# Altium PCB TimeDrive.PcbDoc (part 4 of 4)
Units mil, origin at the board's own origin, x right, y up, seen from the top; angles counter-clockwise.
Board outline 866.1 x 4330 mil, 8 copper layers (L01_SIG, L02_PWR, L03_GND, L04_SIG, L05_SIG, L06_GND, L07_PWR, L08_SIG), stack 31.68 mil thick; 313 components, 297 nets, 1051 pads, 637 vias.
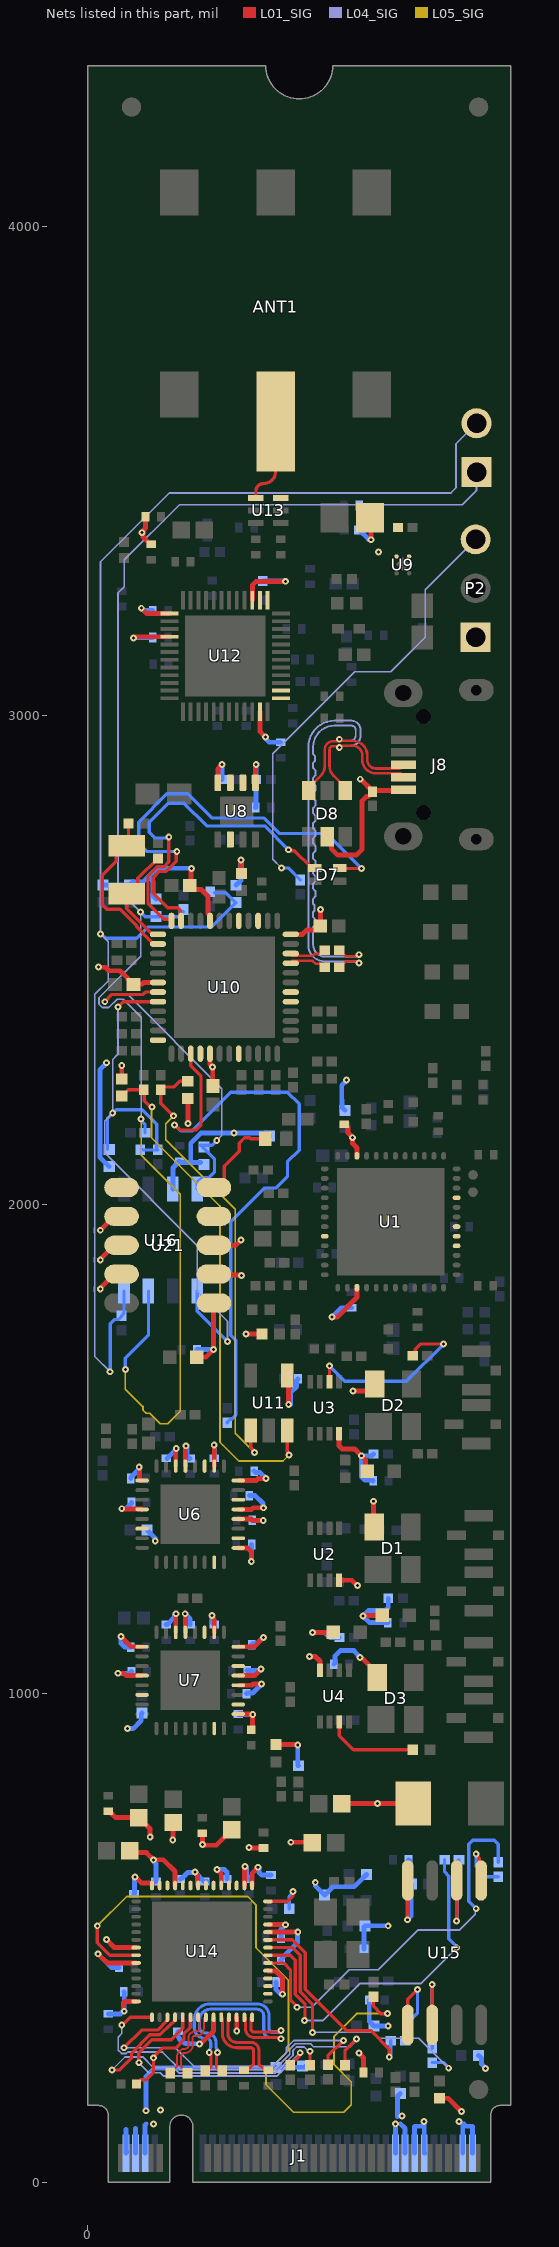
[diagram p10: the nets of this part, all layers, seen from the top]

## Via types
v1: diameter 14, hole 6, L01_SIG to L08_SIG, 509 vias
v2: diameter 19.68, hole 7.87, L01_SIG to L08_SIG, tented both sides, 103 vias
v3: diameter 23.62, hole 11.81, L01_SIG to L08_SIG, tented both sides, 25 vias

## Nets (pads, with @x,y where several pads share a name; then routed paths per layer and width w, separated by ;. In a path a pad name is that pad's centre, name@x,y a point inside that pad or via, vN(x,y) a via of type N, cw(c..) or ccw(c..) an arc to the next point about the centre after c; other vN are vias at no path point) (continued)
NetR108_2: R108.2 U14.15 | length 731.1
  L01_SIG w6.8: v1(70,322.12) 71.95,322.12 87.6,337.78 U14.15@131.8,337.78 ; R108.2@526.73,239.59 526.73,270.57 549.36,293.2 v1(550.49,293.2)
  L04_SIG w3.6: v1(70,322.12) 70,304.59 62.7,297.3 62.7,270.6 69.61,263.69 79.39,263.69 82.5,266.8 153.2,266.8 189.26,230.74 381.71,230.74 413.4,262.44 413.4,272.43 424.74,283.77 456.33,283.77 462.28,277.82 536.2,277.82 550.49,292.11 v1(550.49,293.2)
NetR109_1: R109.1 U14.8 | length 1437.8
  L01_SIG w6.8: v1(20,525) 20,490 45.25,464.75 U14.8@99.32,464.75 ; R109.1@585,380.24 585,360 599.61,345.39 v1(613.41,345.39)
  L05_SIG w3.6: v1(20,525) 80,585 327.49,585 344.43,568.06 344.43,480.57 411.16,413.84 411.16,269.86 365,223.7 365,200 421.28,143.72 524.21,143.72 539.47,158.98 539.47,205.53 504.25,240.75 504.25,299.25 550.39,345.39 v1(613.41,345.39)
NetR110_1: R110.1 U14.34 | length 832.1
  L01_SIG w6.8: U14.34@369,449 401,449 415,435 415,373.53 428.21,360.32 v1(428.21,358.38)
  L04_SIG w3.6: v1(428.21,358.38) 458.38,358.38 535,435 595,435 676.58,516.58 761.46,516.58 793.28,548.4 793.28,558.28 v1(795,560)
  L08_SIG w6.8: v1(795,560) 780,575 780,692.03 787.97,700 832.03,700 840,692.03 R110.1@840,654.76
NetR110_2: R110.2 U15.5 | length 137.6
  L01_SIG w6.8: v1(795,672) 795,669.36 801.29,663.07 801.29,621.34 U15.5@805,617.64
  L08_SIG w6.8: v1(795,672) 795,646.93 816.69,625.24 R110.2@840,625.24
NetR111_1: R111.1 U14.35 | length 755.2
  L01_SIG w6.8: U14.35@369,464.75 415,464.75 424.75,455 425,455 425,385 444.7,365.3 444.7,331.71 v1(444.09,331.1)
  L04_SIG w3.6: v1(444.09,331.1) 481.1,331.1 556.8,406.8 681.8,406.8 v1(755,480)
  L08_SIG w6.8: R111.1@730.24,660 730.24,635.4 738.94,626.7 738.94,498.21 755,482.15 v1(755,480)
NetR111_2: R111.2 U15.6 | length 209.6
  L01_SIG w6.8: v1(755,535) U15.6@755,617.64
  L08_SIG w6.8: v1(755,535) 755,655.24 R111.2@759.76,660
NetR112_1: R112.1 U14.36 | length 589.1
  L01_SIG w6.8: U14.36@369,480.5 419.5,480.5 435,465 435,390 460,365 v1(460,307.03)
  L04_SIG w3.6: v1(460,307.03) 582.97,307.03 595,295 677.47,295 v1(738.76,233.71)
  L08_SIG w6.8: R112.1@705,245.24 728.36,245.24 738.76,234.84 v1(738.76,233.71)
NetR112_2: R112.2 U15.2 | length 212.9
  L01_SIG w6.8: U15.2@705,322.36 v1(705,405)
  L08_SIG w6.8: R112.2@705,274.76 v1(705,405)
NetR113_1: R113.1 U14.37 | length 436
  L01_SIG w6.8: U14.37@369,496.24 418.76,496.24 445,470 445,395 530,310 580,310 617.16,272.84 v1(617.16,256.38)
  L08_SIG w6.8: v1(617.16,256.38) 617.16,259.02 620.24,262.1 R113.1@620.24,290
NetR113_2: R113.2 U15.1 | length 196.4
  L01_SIG w6.8: U15.1@655,322.36 655,375 v1(675,395)
  L08_SIG w6.8: R113.2@649.76,290 649.76,321.76 675,347 v1(675,395)
NetR115_2: R115.2 U14.17 | length 672.8
  L01_SIG w6.8: v1(74.5,275.49) 110.75,311.74 123.45,311.74 143.15,311.74 163.29,331.87 U14.17@163.29,337.78 ; R115.2@491.82,240.76 491.82,258.95 v1(523.24,290.37)
  L04_SIG w3.6: v1(74.5,275.49) 179.51,275.49 217.66,237.34 378.65,237.34 406.8,265.5 406.8,275.16 422.01,290.37 v1(523.24,290.37)
NetR116_2: R116.2 U14.18 | length 672.3
  L01_SIG w6.8: v1(50,230) 65,230 90,255 90,264.65 127.29,301.94 143.2,301.94 147.97,301.94 171.11,325.07 171.95,325.07 179.04,332.16 U14.18@179.04,337.78 ; R116.2@455,239.76 v1(455,268.41)
  L04_SIG w3.6: v1(50,230) 76.58,256.58 99.89,256.58 100.11,256.8 113.2,256.8 135,235 175.67,235 186.52,224.14 384.44,224.14 420,259.7 420,269.69 427.47,277.17 443.43,277.17 452.19,268.41 v1(455,268.41)
NetR117_2: R117.2 U14.19 | length 548.7
  L01_SIG w6.8: v1(105,245) 105,265.79 131.35,292.14 171.67,292.14 194.58,315.05 194.58,337.57 U14.19@194.79,337.78 ; R117.2@415,239.76 415,240.75 433.62,259.37 433.62,263.99 v1(435,265.37)
  L04_SIG w3.6: v1(105,245) 125.52,224.48 148.71,224.48 155.64,217.54 387.17,217.54 v1(435,265.37)
NetR120_2: R120.2 U14.42 | length 103.2
  L01_SIG w6.8: U14.42@369,574.98 409.99,574.98 420,584.99 v1(420,595)
  L08_SIG w6.8: R120.2@412.72,560 412.72,585.08 420,592.36 v1(420,595)
NetR121_2: R121.2 U14.20 | length 204.6
  L01_SIG w6.8: R121.2@100.19,201.2 100.19,201.28 107.28,208.38 107.37,208.38 108.99,210 120,210 135,225 135,256.95 153.05,275 180,275 197.23,292.23 197.23,303.84 210.33,316.94 210.33,337.57 U14.20@210.54,337.78
  other v1: 135,255
NetR129_2: R129.2 U10.15 | length 1256.6
  L01_SIG w6.8: v1(177.64,2162.81) 179.59,2162.81 189.61,2152.79 222.05,2152.79 232.02,2162.75 232.02,2263.67 211.1,2284.59 U10.15@211.1,2308.86
  L08_SIG w6.8: v1(177.64,2162.81) 179.59,2162.81 191.01,2151.38 214.12,2151.38 292.87,2230.14 408.88,2230.14 432.93,2206.09 432.93,2111.54 408.97,2087.57 408.97,2057.56 385.66,2034.25 362.35,2034.25 293.18,1965.08 293.18,1732.49 302.91,1722.76 302.91,1569.64 294.59,1561.31 291.94,1561.31 285.5,1554.87 R129.2@285.5,1553.89
NetR139_2: R139.2 U21.6 | length 174.1
  L01_SIG w6.8: U21.6@258.49,2035.11 264.85,2035.11 279.9,2050.16 279.9,2078.6 310.14,2108.83 310.14,2125.66 321.06,2136.58 332.16,2136.58 333.74,2135 R139.2@363.35,2135
NetR142_1: R142.1 U4.3 | length 189.9
  L01_SIG w6.8: U4.3@514.84,941.85 514.84,914.16 544,885 R142.1@665,885
NetR143_2: R143.2 U3.2 | length 388.8
  L01_SIG w6.8: U3.2@494.84,1638.15 495.01,1638.32 495.01,1670.22 v1(495.19,1670.39) ; R143.2@665.24,1690.83 670.55,1696.15 670.55,1704.55 681,1715 v1(728.38,1715)
  L08_SIG w6.8: v1(495.19,1670.39) 495.19,1669.6 526.01,1638.78 652.15,1638.78 v1(728.38,1715)
NetU1_16: U1.16
NetU1_17: U1.17
NetU1_18: U1.18
NetU1_21: U1.21
NetU1_44: U1.44
NetU6_6: U6.6
NetU6_15: U6.15
NetU6_18: U6.18
NetU6_22: U6.22
NetU6_27: U6.27
NetU7_6: U7.6
NetU7_15: U7.15
NetU7_18: U7.18
NetU7_22: U7.22
NetU7_27: U7.27
NetU8_2: U8.2
NetU8_6: U8.6
NetU8_7: U8.7
NetU10_12: U10.12
NetU10_16: U10.16
NetU10_20: U10.20
NetU10_29: U10.29
NetU10_30: U10.30
NetU10_39: U10.39
NetU10_41: U10.41
NetU12_1: U12.1
NetU12_2: U12.2
NetU12_13: U12.13
NetU12_14: U12.14
NetU13_6: U13.6
NetU14_30: U14.30
NetU14_31: U14.31
NetU14_32: U14.32
NetU14_45: U14.45
NetU14_46: U14.46
NetU14_48: U14.48
NetU14_49: U14.49
NetU14_51: U14.51
NetU14_52: U14.52
NetU14_54: U14.54
NetU14_55: U14.55
NetU21_1: U21.1
NetU21_7: U21.7
P0V95_I225: C92.2 C94.2 C96.2 C98.2 C100.2 C102.2 C104.2 C106.2 C108.1 C110.1 C112.1 L1.2 U14.9 U14.26 U14.38 U14.44 U14.50 U14.56 | length 880.7
  L01_SIG w10: v1(21.27,467.67) 39.95,449 U14.9@99.32,449 ; C92.2@42.21,759.54 45.08,756.67 47.05,756.67 57.36,746.36 C108.1@105,746.36 127.4,723.97 127.4,707.06 v1(128.17,706.3) ; v1@96.78,624.33 98.53,624.33 110.55,612.31 130.73,612.31 131.8,611.24 U14.56@131.8,607.46 ; v1(174.35,700.56) 175,700.56 C110.1@175,736.36 ; v1(220,635) 220,633.92 225.22,628.7 225.22,608.53 U14.50@226.28,607.46 ; U14.26@305.02,337.78 305.12,337.69 305.12,309.57 v1(305.21,309.48) ; U14.44@320.77,607.46 321.31,608 321.31,646.04 v1(321.85,646.57) ; v1(330,685) 330.75,684.25 C100.2@360,684.25 ; U14.38@369,511.99 369.19,512.19 429.87,512.19 v1(430.07,512.38) ; C112.1@520,775 v1(593,775) L1.2@666,775
  L08_SIG w10: v1(21.27,467.67) 48.95,440 C106.2@64.25,440 ; C96.2@95,590.75 96.01,591.76 96.01,624.23 v1(96.78,625) ; C94.2@190,620.75 191.97,620.75 205.46,634.23 219.23,634.23 v1(220,635) 220.77,634.23 220.77,633.01 238.03,615.75 C98.2@244.84,615.75 ; v1(321.85,646.57) 321.85,645.49 325.16,642.18 325.16,623.62 327.87,620.91 C102.2@330,620.91 ; C104.2@395.75,455 398.62,457.87 398.62,459.84 429.3,490.52 429.3,511.61 v1(430.07,512.38)
P3V3: C4.1 C5.2 C21.1 C22.1 C23.1 C24.1 C27.2 C28.2 C29.2 C30.2 C31.2 C32.2 C33.2 C34.2 C35.2 C36.1 C37.1 C38.2 C39.2 C40.2 C41.2 C42.2 C43.2 C44.2 C45.2 C46.2 C48.1 C49.1 C50.1 C51.1 C54.2 C64.1 C76.1 C77.1 C78.1 C81.1 C88.2 C90.2 C91.2 C93.2 C95.2 C97.2 C99.2 C101.2 C103.2 C105.2 C107.2 C109.1 C111.1 C113.1 C118.1 C119.1 C122.1 C123.1 C124.1 C125.1 C126.1 C127.1 C129.1 C132.1 C133.1 C134.1 D1.4 D2.4 D3.4 FB1.2 FB2.2 J1.2 J1.4 J1.12 J1.14 J1.16 J1.18 J1.70 J1.72 J1.74 P2.1 R1.2 R5.2 R6.2 R11.2 R42.2 R48.1 R50.2 R52.2 R54.2 R56.1 R62.1 R70.2 R72.2 R83.2 R84.2 R85.2 R86.2 R87.2 R93.2 R94.2 R104.2 R105.2 R122.2 R123.2 R124.2 R125.2 R126.2 R127.2 R128.2 U1.3 U1.34 U2.8 U3.8 U4.8 U6.1 U6.4 U6.17 U6.20 U6.21 U6.24 U6.26 U6.29 U6.30 U7.1 U7.4 U7.17 U7.20 U7.21 U7.24 U7.26 U7.29 U7.30 U8.5 U8.8 U9.3 U9.4 U10.6 U10.17 U10.36 U10.44 U11.4 U12.15 U12.25 U12.28 U12.47 U14.7 U14.14 U14.23 U14.33 U14.39 U14.43 U14.47 U14.53 U15.8 U16.3 U21.2 U21.3 U21.4 U21.8 U21.9 U21.10 | length 8164.2
  L01_SIG w10: v1(22.2,2486.28) 22.97,2485.51 36.79,2485.51 43.92,2478.39 66.4,2478.39 83,2461.8 83,2460 93,2450 C48.1@93.84,2450 ; v1(26.1,1827.39) 26.1,1828.84 55.21,1857.94 U21.4@69.51,1857.94 ; v1(26.1,1887.01) 26.1,1888.17 54.93,1917 U21.3@69.51,1917 ; v1(26.1,1947.61) 26.1,1948 54.15,1976.06 U21.2@69.51,1976.06 ; v1(38.51,497.16) 55.17,480.5 U14.7@99.32,480.5 ; v1(62.2,1041.59) 74.4,1041.59 79.22,1036.77 U7.4@111.5,1036.77 ; v1(68.17,1117.03) 89.37,1095.83 U7.1@111.5,1095.83 ; v1(69.98,1378.18) 70.69,1377.46 110.88,1377.46 U6.4@111.57,1376.77 ; R85.2@70,2257.49 v1(70,2285) ; v1(75.07,350.19) 73.44,351.82 73.44,367.75 75.95,370.26 U14.14@99.32,370.26 ; C109.1@85.72,674.74 120.26,674.74 v1(135,660) 155,660 179.04,635.96 U14.53@179.04,607.46 ; v1(93.83,3159.02) 96.47,3159.02 99.17,3161.72 U12.28@167.57,3161.72 ; C48.1@95.49,2451.34 111.81,2451.34 115,2454.53 U10.6@144.17,2454.53 ; v1(105.67,1463.39) 106.43,1462.62 106.43,1436.89 107.5,1435.83 U6.1@111.57,1435.83 ; v1(110,3220) 121.04,3208.96 U12.25@167.57,3208.96 ; FB1.2@118.68,3406.79 118.68,3383.99 111.76,3377.06 v1(111.76,3374.43) 113.62,3372.56 113.62,3365.16 128.03,3350.75 FB2.2@130,3350.75 ; U7.30@180.39,1125.35 180.39,1162.73 v1(180.94,1163.27) ; U6.30@180.47,1465.35 180.47,1499.06 181.46,1500.05 v1(181.46,1501.13) ; v1(199.77,1163.27) 200.08,1163.27 U7.29@200.08,1125.35 ; U6.29@200.16,1465.35 200.36,1465.56 200.36,1505.88 v1(201.22,1506.74) ; R84.2@205,2216.88 205.38,2216.51 v1(205.38,2166.19) ; v1(212.76,2687.38) 211.99,2686.61 211.99,2655.51 C49.1@209.27,2652.78 217.51,2644.55 232.94,2644.55 246.42,2631.07 246.42,2595.88 250.47,2591.83 U10.44@250.47,2580.51 ; C122.1@223.12,1688 242,1688 v1(258,1704) 258,1798.4 U21.10@258.49,1798.89 ; v1(228.77,283.55) 228.82,283.56 cw(c232.92,263.98) 231.48,283.93 231.54,283.94 235.23,287.63 235.63,287.63 257.78,309.78 U14.23@257.78,337.78 ; C107.2@235,714.25 235.12,714.13 235.12,691.64 v1(235.24,691.52) 236.32,691.52 238.04,689.8 263.42,689.8 C113.1@295,721.36 ; U10.17@250.47,2308.86 250.47,2287.12 255.26,2282.33 v1(255.26,2281.25) 256.01,2280.5 256.01,2243.3 C51.1@256.76,2242.55 ; v1(254.43,1159.43) 254.43,1156.79 259.13,1152.09 U7.26@259.13,1125.35 ; U21.9@258.49,1857.94 259.93,1856.5 313.52,1856.5 v1(314.96,1855.06) ; U21.8@258.49,1917 303.53,1917 v1(314.01,1927.48) ; v1(259.11,1508.45) 259.21,1508.45 U6.26@259.21,1465.35 ; v1(265,640) 273.53,631.47 U14.47@273.53,607.46 ; U8.8@266.61,2863.07 266.61,2891.61 v1(275,2900) ; U7.17@308.35,958.03 335.88,958.03 336.89,957.02 v1(337.97,957.02) 337.2,956.26 337.2,927.95 R1.2@335,925.75 ; U7.20@308.35,1017.09 337.09,1017.09 339.5,1019.5 v1(356.03,1019.5) ; U7.21@308.35,1036.77 341.77,1036.77 v1(355,1050) ; U7.24@308.35,1095.83 340.83,1095.83 v1(360,1115) ; U6.17@308.43,1298.03 326.97,1298.03 335,1290 v1(335,1270) ; U6.20@308.43,1357.09 334.37,1357.09 337.41,1354.04 v1(359.44,1354.04) ; U6.21@308.43,1376.77 335.77,1376.77 339,1380 v1(360,1380) ; U6.24@308.43,1435.83 344.83,1435.83 349,1440 v1(365,1440) ; v1(313.88,2704.88) 313.88,2678.93 R62.1@315,2677.8 ; v1(324.09,1735.49) 356.71,1735.49 R11.2@357.2,1735 ; U14.43@336.52,607.46 336.52,632.52 v1(348.76,644.77) ; U12.15@336.86,3236.52 337.55,3237.21 337.55,3267.67 344.88,3275 v1(405,3275) ; U8.5@343.39,2863.07 343.39,2897.3 345,2898.92 v1(345,2900) ; U12.47@352.6,3008.17 352.93,3007.85 352.93,2967.28 363.8,2956.41 v1(363.8,2956.23) ; U14.33@369,433.25 369.69,432.56 384.73,432.56 399.1,418.2 v1@399.1,390.07 ; U14.39@369,527.74 369.27,527.47 404.87,527.47 v1(405.14,527.2) ; R83.2@385.16,895.6 430,895.6 v1(430,895) ; U11.4@408.53,1650.56 411.43,1647.67 v1(411.43,1591.43) ; v1(415.78,695.9) 459.1,695.9 C111.1@460,695 ; U10.36@415.83,2552.95 439.64,2552.95 448.71,2562.02 467.99,2562.02 C50.1@476.23,2570.26 v1@476.25,2604.02 ; v1(453.92,1075.85) 466.15,1075.85 475.47,1066.53 U4.8@475.47,1048.15 ; v1(460,1125) C125.1@502.44,1125 ; v1(500,1770) 510.39,1770.02 551.1,1810.73 U1.3@551.1,1829.17 ; U2.8@514.53,1231.85 540.59,1231.85 551.42,1221.02 v1(552.51,1221.02) ; U3.8@514.53,1531.85 514.53,1506.33 520.39,1500.47 545.98,1500.47 v1(560.04,1486.42) 568.53,1477.92 568.53,1458.91 C36.1@572.44,1455 ; C4.1@525,2164.25 526.97,2164.25 532.72,2158.5 532.72,2146.72 541.9,2137.54 v1(541.9,2136.98) 541.9,2125.43 551.1,2116.22 U1.34@551.1,2099.84 U1.34@551.1,2098.86 ; v1(542.69,1619.02) 573.31,1619.02 D2.4@587.6,1633.31 ; v1(555,265) 564.57,255.43 C97.2@564.57,225 ; v1(557.17,1073.79) 557.94,1073.03 560.75,1073.03 592.6,1041.18 D3.4@592.6,1033.31 ; v1(563.46,1158.46) 563.46,1160 C22.1@602.44,1160 ; C64.1@577.9,3405 580,3402.9 v1(580,3360) ; v1(585.2,1393.41) 585.2,1340.52 D1.4@586.41,1340.52 ; v1(654.71,537.36) 655,537.36 U15.8@655,617.64 ; R125.2@720,172.2 737.8,172.2 v1(765,145)
  L08_SIG w10: R72.2@31.93,2654.19 32.01,2654.11 86.01,2654.11 R70.2@86.09,2654.03 91.84,2659.77 113.27,2659.77 124.24,2670.74 ; v1(38.77,2290.24) 38.77,2289.16 25.17,2275.56 25.17,2096.87 R54.2@44.44,2077.68 R54.2@44.44,2077.68 ; C95.2@42.34,344.87 67.11,344.87 72.43,350.19 v1(75.07,350.19) 75.07,389.18 C99.2@74.25,390 ; v1(62.2,1041.59) 86.59,1041.59 C38.2@90,1045 ; v1(68.17,1117.03) 68.17,1102.76 75.92,1095 C39.2@88.5,1095 ; v1(69.98,1378.18) 70.75,1378.94 79.78,1378.94 89.85,1389.01 C30.2@89.85,1390.98 ; 78.49,108.33 78.54,108.28 J1.74@78.54,60.04 J1.74@80.43,61.93 ; v1(81.92,928.25) 93.25,928.25 109.85,944.85 109.85,958.26 R56.1@111.5,959.92 ; C31.2@88.5,1440 88.5,1441.97 104.9,1458.37 104.9,1462.62 v1(105.67,1463.39) ; v1(93.83,3159.02) 94.91,3159.02 95.89,3160 C76.1@133.5,3160 ; J1.72@98.22,60.04 98.22,110 ; v1(110,3220) 111.08,3220 116.08,3215 C78.1@133.5,3215 ; J1.70@117.91,60.04 117.91,117.91 120,120 ; v1(119.83,146.67) 119.83,217.27 136.56,234 383.4,234 R128.2@385,235.6 445,235.6 R42.2@445,237.8 ; R48.1@122.04,1334.34 R48.1@122.04,1334.34 137.71,1318.58 137.71,1312.96 v1(138.48,1312.2) ; v1(135,660) 135,657.36 140,652.36 C101.2@140,615.75 ; R52.2@140.56,2624.84 R52.2@140.47,2624.84 140.39,2624.84 134.2,2631.02 134.2,2660.78 124.24,2670.74 ; C40.2@160.71,1141.1 162.68,1141.1 177.77,1156.19 177.77,1159.02 180.94,1162.19 v1(180.94,1163.27) ; C27.2@162.76,1481.1 179.22,1497.57 179.22,1497.81 181.46,1500.05 v1(181.46,1501.13) ; U16.3@174.56,2031.98 174.56,2075.06 180.66,2081.16 180.66,2083.13 186.41,2088.88 C127.1@188.37,2088.88 191.05,2086.21 206.79,2086.21 ; C93.2@185,309.25 185,302.19 185.3,300.48 ccw(c205,303.94) 204.68,283.94 v1(228.77,283.55) ; v1(199.77,1163.27) 210,1153.04 C41.2@210,1140.75 ; v1(201.22,1506.74) 201.22,1504.79 203.56,1502.46 203.56,1485.22 208.03,1480.75 C28.2@210,1480.75 ; v1(212.76,2687.38) 211.99,2688.14 141.64,2688.14 124.24,2670.74 ; C123.1@223.75,1703 224.25,1703.5 257.5,1703.5 v1(258,1704) ; R87.2@231.14,2086.21 206.79,2086.21 ; v1(254.43,1159.43) 254.43,1145.8 C42.2@259.13,1141.1 ; v1(259.11,1508.45) 259.21,1508.45 C29.2@259.21,1481.1 ; v1(265,640) 280,640 285,635 C103.2@285,620.75 ; v1(275,2900) v1(275,2900) 275.05,2870.05 C119.1@275.1,2870 ; C46.2@308.35,958.03 308.85,957.53 337.46,957.53 v1(337.97,957.02) ; v1(313.88,2704.88) 313.88,2663.44 R50.2@312.88,2662.44 ; C45.2@325,1000 325.91,1000.91 337.44,1000.91 v1(356.03,1019.5) ; C44.2@326.5,1046.98 355,1046.98 v1(355,1050) ; C33.2@330.75,1405 343.03,1405 358.81,1389.22 358.81,1381.19 v1(360,1380) ; v1(335,1270) 335,1305 C35.2@335.75,1305 ; C43.2@335.75,1100 338.26,1102.51 347.51,1102.51 v1(360,1115) ; C34.2@336.84,1354.61 359.44,1354.61 v1(359.44,1354.04) ; C32.2@340.75,1455 343.34,1452.41 352.59,1452.41 v1(365,1440) ; C129.1@343.88,2812.28 344.49,2812.89 344.49,2869.39 C118.1@345.1,2870 345.05,2870.05 v1(345,2900) v1(345,2900) ; v1(348.76,644.77) 350.63,642.9 350.63,634.77 356.67,628.74 C105.2@375.36,628.74 ; C81.1@358.46,3275.56 358.74,3275.28 404.72,3275.28 v1(405,3275) ; v1(363.8,2956.23) 364.57,2955.46 364.57,2952.69 371.51,2945.75 C77.1@395,2945.75 ; R5.2@372.2,2140 365.28,2146.92 v1(299.33,2146.92) 232.47,2146.92 211.15,2125.61 211.15,2090.57 cw(c206.79,2090.57) 206.79,2086.21 ; C90.2@385.75,410 385.75,394.25 394.93,385.07 v1(399.1,385.07) ; C91.2@395.94,500.19 C91.2@395.75,500 395.75,517.68 405.14,527.07 v1(405.14,527.2) ; v1(411.43,1591.43) 415,1591.43 415,1615 427.69,1627.69 427.69,1640.95 C54.2@430.53,1643.79 ; v1(430,895) 430,852.33 R86.2@431.38,852.33 ; v1(460,1125) 485.42,1125 495.42,1115 C126.1@514.25,1115 ; v1@466.63,614.69 v1(465.86,613.92) 466.63,613.16 466.63,606.09 484.92,587.8 R127.2@485,587.8 485.08,587.8 502.05,604.76 545.37,604.76 560.52,619.92 560.6,619.92 570.6,629.92 R126.2@570.6,630 ; v1(500,1770) 519.25,1789.25 C5.2@540,1789.25 ; C124.1@503.5,1060 505.78,1062.28 505.78,1076.65 517.56,1088.43 545.19,1088.43 545.19,1086.86 557.17,1074.88 v1(557.17,1073.79) ; R6.2@526.55,2193.05 R6.2@526.55,2193.05 520.28,2199.23 520.28,2214.55 520.06,2214.76 520.06,2243.98 530,2253.92 v1(530,2255) ; C134.1@555.75,3430 555.33,3429.58 555.33,3380.42 C132.1@554.9,3380 555.75,3380 574.98,3360.77 579.23,3360.77 v1(580,3360) ; R93.2@565.5,477.79 565.5,522.7 R122.2@567.8,525 v1(615,525) ; R94.2@576.24,373.31 576.24,329.45 585.6,320.08 R124.2@585.6,320 v1(615,320) ; C24.1@584.25,1435 582.55,1436.7 567.24,1436.7 560.04,1443.9 v1(560.04,1486.42) 581.51,1486.42 C37.1@585.1,1490 ; C21.1@614.25,1145 576.93,1145 v1(563.46,1158.46) 575,1170 609.24,1170 615.1,1175.86 C23.1@615.1,1195 ; J1.18@630,60.04 J1.18@629.7,60.04 629.85,60.19 629.85,119.85 v1(630,120) ; 634.17,134.64 634.07,134.74 634.07,176.27 R123.2@639.68,181.88 ; 640,120 649.39,110.61 J1.16@649.39,60.04 ; v1(654.71,537.36) 654.71,537.72 662.2,545.22 R104.2@662.2,610 659.35,612.85 659.35,657.15 C88.2@656.5,660 ; J1.14@669.07,60.04 669.07,115 685,115 ; v1(688.1,124.87) 688.76,124.87 J1.12@688.76,60.04 J1.12@690,60.04 ; J1.4@767.5,60.04 767.5,120 770,120 ; 775,115 787.18,115 J1.2@787.18,60.04 ; R105.2@800,260 806.18,253.82 806.18,241.86 813.85,234.19 v1(813.85,233.11) ; R50.2@312.88,2662.44 R50.2@303.73,2653.29 303.82,2653.29 312.88,2662.35 R50.2@312.88,2662.44
  other v1: 134.85,119.85 760,125 643.18,135.96 149.59,148.35 476.26,2604.04 595,3335
P5V_USB: C53.1 D8.5 J8.1 | length 330.2
  L01_SIG w10: D8.5@490,2752.76 498.78,2743.98 498.78,2727.94 511.72,2715 549.92,2715 561.63,2726.72 561.63,2825.92 570.18,2834.48 573.87,2834.48 586.16,2846.77 643.78,2846.77 J8.1@645.83,2848.82 ; v1(557.8,2870.29) 558.54,2870.29 582.8,2846.04 C53.1@582.8,2845.29
PCIE_CLK_R_N: R100.2 U14.22 | length 150.9
  L01_SIG w4: R100.2@204.51,223.71 204.51,224.7 196.67,232.54 195.95,232.54 191.26,237.23 191.26,256.96 cw(c199.23,256.96) 199.23,264.94 ccw(c199.23,280.78) 215.08,280.78 215.08,296.28 cw(c218.74,296.28) 218.74,299.93 223.25,299.93 ccw(c223.25,314.47) 237.78,314.47 237.78,333.53 cw(c242.03,333.53) U14.22@242.03,337.78
PCIE_CLK_R_P: R99.2 U14.21 | length 150.2
  L01_SIG w4: R99.2@169.51,223.71 169.51,224.7 177.35,232.54 178.07,232.54 182.76,237.23 182.76,256.96 cw(c199.23,256.96) 199.23,273.44 ccw(c199.23,280.78) 206.58,280.78 206.58,296.28 cw(c218.74,296.28) 218.74,308.43 223.25,308.43 ccw(c223.25,314.47) 229.28,314.47 229.28,334.78 ccw(c226.28,334.78) U14.21@226.28,337.78
PCIE_RX_R_N: R98.2 U14.27 | length 472.6
  L01_SIG w6.3: v1(266,266) ccw(c266,263.43) 263.43,263.43 263.43,240.37 ccw(c275.43,240.37) R98.2@275.43,228.37 ; U14.27@320.77,337.78 cw(c320.77,335.41) 323.15,335.41 323.15,314.47 ccw(c341.09,314.47) 341.09,296.53 393.47,296.53 cw(c393.47,294) v1(396,294) v1@393.43,294
  L08_SIG w6.3: v1(266,266) cw(c269.56,269.56) 264.53,269.56 264.53,272.66 ccw(c261.92,272.66) 263.76,274.5 cw(c265.61,276.34) 263,276.34 263,285.8 ccw(c242.9,285.8) 242.9,305.9 239.8,305.9 cw(c239.8,316.41) 229.28,316.41 229.28,332.61 cw(c251.09,332.61) 251.09,354.42 346.99,354.42 cw(c346.99,340.95) 360.45,341.05 360.45,310.07 ccw(c374.27,310.07) 374.27,296.25 393.75,296.25 cw(c393.75,294) v1(396,294)
PCIE_RX_R_P: R97.2 U14.28 | length 472.5
  L01_SIG w6.3: R97.2@240.43,228.37 ccw(c240.43,240.37) 252.43,240.37 252.43,262.57 ccw(c249,262.57) v1(249,266) ; U14.28@336.52,337.78 ccw(c336.52,335.41) 334.15,335.41 334.15,314.47 ccw(c341.09,314.47) 341.09,307.53 392.53,307.53 ccw(c392.53,311) v1(396,311) v1@393.43,311
  L08_SIG w6.3: v1(249,266) ccw(c245.44,269.56) 250.47,269.56 250.47,272.66 cw(c253.08,272.66) 251.24,274.5 ccw(c249.39,276.34) 252,276.34 252,285.8 ccw(c242.9,285.8) 242.9,294.9 239.8,294.9 cw(c239.8,316.41) 218.28,316.41 218.28,332.61 cw(c251.09,332.61) 251.09,365.42 346.99,365.42 cw(c346.99,340.95) 371.45,340.95 371.45,314.63 ccw(c378.83,314.63) 378.83,307.25 392.25,307.25 ccw(c392.25,311) v1(396,311)
PCIE_TX_C_N: C84.1 U14.24 | length 170.5
  L01_SIG w6.3: U14.24@273.53,337.78 cw(c273.53,335.41) 275.9,335.41 275.9,305 ccw(c305.36,305) 305.36,275.54 334.59,275.54 cw(c334.59,270.79) 339.34,270.79 339.34,241.63 331.96,234.25 324.82,234.25 C84.1@320.09,229.52
PCIE_TX_C_P: C85.1 U14.25 | length 170.4
  L01_SIG w6.3: U14.25@289.28,337.78 ccw(c289.28,335.41) 286.9,335.41 286.9,305 ccw(c305.36,305) 305.36,286.54 334.59,286.54 cw(c334.59,270.79) 350.34,270.79 350.34,241.72 357.72,234.34 364.86,234.34 C85.1@369.59,229.61
SAMD_RESET: P2.3 R44.2 | length 943.2
  L04_SIG w3.6: v1(396.8,2688.64) 378.87,2706.58 378.87,2922.65 546.23,3090.01 620,3090.01 690.68,3160.69 690.68,3257.51 P2.3@793.86,3360.69
  L08_SIG w6.8: v1(396.8,2688.64) 410.74,2688.64 R44.2@435.3,2664.08
SAMD_SCK: R54.1 R88.2 R96.2 U10.8 U16.5 | length 1285
  L01_SIG w6.8: v1(62.07,2404.53) 62.73,2404.53 73.36,2415.16 U10.8@144.17,2415.16
  L04_SIG w3.6: v1(62.07,2404.53) 62.07,2307.48 51.45,2296.87 v1(51.45,2187.59) 35,2171.14 35,2105.9 224.56,1916.34 224.56,1823.32 286.28,1761.61 v1(286.28,1720.45)
  L08_SIG w6.8: R54.1@40.86,2113.02 40.86,2177 v1(51.45,2187.59) 52.06,2187.59 58.82,2194.35 111.53,2194.35 141.54,2164.34 141.54,2113.9 R88.2@143.48,2111.96 112.39,2111.96 R96.2@110.88,2113.46 ; U16.5@224.56,1823.32 224.56,1782.16 v1(286.28,1720.45)
SAMD_SCK1: R68.1 R84.1 U11.1 | length 947.1
  L01_SIG w6.8: v1(176.02,2181.8) 175.48,2181.8 149.62,2207.66 149.62,2234.54 R68.1@150,2234.92 155.6,2240.52 176.55,2240.52 188.51,2252.49 R84.1@205,2252.49 ; v1@176.16,2181.94 v1@176.55,2182.33 ; U11.1@333.73,1538.36 333.73,1503.56 341.82,1495.47 v1(341.82,1492.83)
  L05_SIG w3.6: v1(176.02,2181.8) 160,2165.78 160,2133 302.1,1990.9 302.1,1532.55 v1@341.79,1492.86
SAMD_SDA: R87.1 U10.7 U16.4 | length 714.3
  L01_SIG w6.8: v1(35.3,2415.02) 35.3,2415.3 50,2430 113.65,2430 118.49,2434.84 U10.7@144.17,2434.84
  L04_SIG w3.6: v1(35.3,2415.02) 50.28,2430 82.06,2430 274.72,2237.34 274.72,2141.43 v1(264.31,2131.03)
  L08_SIG w6.8: U16.4@224.56,2031.98 224.56,2045.76 234.25,2055.45 247.94,2055.45 259.75,2067.26 259.75,2093.37 231.31,2121.81 254.61,2121.81 263.83,2131.03 v1(264.31,2131.03)
SAMD_SDA1: R67.1 R85.1 U11.3 | length 1052
  L01_SIG w6.8: R85.1@70,2221.88 70.08,2221.88 83.12,2234.92 R67.1@115,2234.92 115.98,2233.95 115.98,2212.36 122.2,2206.14 128.89,2199.45 v1(131.53,2199.45) ; U11.3@408.53,1538.36 408.53,1494.4 412.23,1490.7 v1(412.23,1488.07)
  L05_SIG w3.6: v1(131.53,2199.45) 130.77,2198.7 130.77,2137.23 270.97,1997.03 270.97,1514.39 309.69,1475.68 399.84,1475.68 v1(412.23,1488.07)
SAMD_SWCLK: J9.2 R45.1 R50.1 R102.2 U16.8 | length 3173.3
  L04_SIG w3.6: v1(46.15,1658.18) 15,1689.34 15,1821.8 14.3,1822.5 14.3,1832.28 15,1832.98 15,1881.42 14.3,1882.12 14.3,1891.89 15,1892.59 15,1942.02 14.3,1942.72 14.3,1952.5 15,1953.2 15,2430.46 42.14,2457.59 42.14,2537.82 v1(26.52,2553.44) 26.52,3315.18 167.05,3455.71 743.22,3455.71 753.7,3466.19 753.7,3556.27 J9.2@795.78,3598.35
  L08_SIG w6.8: v1(26.52,2553.44) 28.47,2553.44 37.07,2544.84 101.12,2544.84 124.24,2567.96 253.92,2567.96 R50.1@303.65,2617.69 ; v1(46.15,1658.18) 46.15,1756.78 54.48,1765.1 63.07,1765.1 69.51,1771.54 R102.2@69.51,1772.53 74.56,1777.58 U16.8@74.56,1823.32 ; R45.1@260.38,2638.25 283.09,2638.25 R50.1@303.65,2617.69 ; R50.1@303.73,2617.69 R50.1@303.65,2617.69
SAMD_SWDIO: J9.1 R46.1 R52.1 R101.2 U16.7 | length 3240.9
  L04_SIG w3.6: v1(109.34,2174.97) 110.04,2175.67 110.04,2383.5 73.35,2420.19 60.55,2420.19 43.57,2403.22 30.41,2403.22 23.5,2410.13 23.5,2423.16 108.65,2508.32 v1(108.65,2598.37) 62.07,2644.94 62.07,3251.05 75.11,3264.09 75.11,3318.86 188.05,3431.8 766.32,3431.8 795.78,3461.26 J9.1@795.78,3498.35
  L05_SIG w3.6: v1(77.38,1662.79) 77.38,1622.82 113.2,1587 113.2,1580.11 120.11,1573.2 127,1573.2 148.5,1551.7 164.05,1551.7 189.54,1577.18 189.54,2021.44 110.04,2100.94 110.04,2174.27 v1(109.34,2174.97)
  L08_SIG w6.8: v1(77.38,1662.79) 77.07,1663.09 77.07,1685.73 124.56,1733.22 U16.7@124.56,1823.32 ; v1(108.65,2598.37) 117.78,2589.24 R52.1@140.47,2589.24 186.57,2589.24 196.09,2598.75 R46.1@196.09,2599.74 ; v1(109.34,2174.97) 109.34,2173.03 117.5,2164.88 R101.2@117.5,2147
SAMD_USB_D_N: D8.1 J8.2 R81.1 | length 1089
  L01_SIG w5.3: R81.1@514.83,2485.26 515.82,2485.26 528.32,2497.76 549.22,2497.76 552.72,2494.26 v1(555.07,2494.26) ; D8.1@527.4,2847.24 527.4,2853.15 502.96,2877.59 cw(c522.19,2896.81) 495,2896.81 495,2930.85 cw(c501.99,2930.85) 501.99,2937.84 512.16,2937.84 cw(c512.16,2935) v1(515,2935) cw(c518.5,2935) 518.5,2938.5 543.05,2938.5 cw(c543.05,2919.55) 562,2919.55 562,2910 ccw(c589.8,2910) 589.8,2882.2 638.03,2882.2 cw(c638.03,2874.41) J8.2@645.83,2874.41
  L04_SIG w4: 451.6,2530.63 451.6,2936.3 cw(c505.19,2936.3) 505.19,2989.88 539.57,2989.88 cw(c539.57,2970.86) 558.59,2970.86 558.59,2959.59 cw(c537.5,2959.59) 537.5,2938.5 518.5,2938.5 ccw(c518.5,2935) v1(515,2935) ; 451.67,2530.63 ccw(c484.55,2530.63) 484.55,2497.76 551.57,2497.76 cw(c551.57,2494.26) v1(555.07,2494.26)
SAMD_USB_D_P: D8.3 J8.3 R82.1 | length 1088.9
  L01_SIG w5.3: D8.3@452.6,2847.24 452.6,2853.15 477.17,2877.72 ccw(c458.25,2896.63) 485,2896.63 485,2930.85 cw(c501.99,2930.85) 501.99,2947.84 510.84,2947.84 ccw(c510.84,2952) v1(515,2952) ccw(c518.5,2952) 518.5,2948.5 543.05,2948.5 cw(c543.05,2919.55) 572,2919.55 572,2910 ccw(c589.8,2910) 589.8,2892.2 638.03,2892.2 ccw(c638.03,2900) J8.3@645.83,2900 ; R82.1@514.83,2520.26 515.82,2520.26 528.32,2507.76 549.22,2507.76 552.72,2511.26 v1(555.07,2511.26)
  L04_SIG w4: 461.6,2530.63 461.6,2566.14 461.6,2568.14 466.15,2572.69 466.15,2583.19 461.2,2588.14 461.2,2598.64 464.26,2601.7 464.26,2612.2 461.2,2615.26 461.2,2625.76 466.15,2630.71 466.15,2641.21 461.2,2646.16 461.2,2656.66 466.15,2661.61 466.15,2672.11 461.2,2677.06 461.2,2687.56 466.15,2692.51 466.15,2703.01 461.2,2707.96 461.2,2718.46 466.15,2723.41 466.15,2733.91 461.2,2738.86 461.2,2749.36 466.15,2754.31 466.15,2764.81 461.2,2769.76 461.2,2780.26 466.15,2785.21 466.15,2795.71 461.2,2800.66 461.2,2811.16 466.15,2816.11 466.15,2826.61 461.2,2831.56 461.2,2842.06 466.15,2847.01 466.15,2857.51 461.2,2862.46 461.2,2872.96 466.15,2877.91 466.15,2888.41 461.2,2893.36 461.2,2903.86 464.85,2907.51 464.85,2918.01 461.6,2921.26 461.6,2923.26 461.6,2936.3 cw(c505.19,2936.3) 505.19,2979.88 539.57,2979.88 cw(c539.57,2970.86) 548.59,2970.86 548.59,2959.59 cw(c537.5,2959.59) 537.5,2948.5 518.5,2948.5 cw(c518.5,2952) v1(515,2952) ; 461.67,2530.63 ccw(c484.55,2530.63) 484.55,2507.76 551.57,2507.76 ccw(c551.57,2511.26) v1(555.07,2511.26)
UC_LED2: D7.2 U10.47 | length 921.6
  L01_SIG w6.8: v1(182.6,2722.41) 181.22,2721.03 181.22,2702.13 160.59,2681.5 146.89,2681.5 134.2,2668.81 134.2,2636.76 163.6,2607.36 184.43,2607.36 189.97,2601.82 189.97,2581.96 U10.47@191.42,2580.51 ; D7.2@515.59,2688.78 516.65,2687.72 v1(560.23,2687.72)
  L08_SIG w6.8: v1(182.6,2722.41) 121.32,2722.41 104.9,2738.83 104.9,2782.62 162.51,2840.23 204.77,2840.23 253.96,2791.04 360.06,2791.04 391.83,2759.27 488.67,2759.27 v1(560.23,2687.72)
UC_LED4: D7.4 U10.48 | length 700.3
  L01_SIG w6.8: v1(166.25,2751.97) 166.25,2701.02 156.53,2691.3 142.83,2691.3 123.8,2672.26 123.8,2615.32 155.46,2583.66 168.58,2583.66 U10.48@171.73,2580.51 ; v1(410.95,2725.96) 412.81,2724.1 423.19,2724.1 458.5,2688.78 D7.4@464.41,2688.78
  L08_SIG w6.8: v1(166.25,2751.97) 164.4,2750.12 137.29,2750.12 126,2761.4 126,2781.76 165.51,2821.27 197.21,2821.27 243.94,2774.54 362.37,2774.54 v1(410.95,2725.96)
USB_R_N: R81.2 U10.33 | length 77.8
  L01_SIG w5.3: U10.33@415.83,2493.9 cw(c420.67,2493.9) 420.67,2498.74 460.58,2498.74 466.87,2492.45 478.11,2492.45 R81.2@485.31,2485.26
USB_R_P: R82.2 U10.34 | length 77
  L01_SIG w5.3: U10.34@415.83,2513.58 ccw(c420.67,2513.58) 420.67,2508.74 460.58,2508.74 464.9,2513.06 478.11,2513.06 R82.2@485.31,2520.26
UWB_ANT: ANT1.1 U13.1 | length 179.5
  L01_SIG w6.8: U13.1@344.41,3445.59 344.41,3459.41 cw(c360,3459.41) 360,3475 ccw(c360,3499.8) 384.8,3499.8 ANT1.1@384.8,3602.05
XIN32: C114.1 U10.1 Y3.2 | length 217.1
  L01_SIG w6.8: C114.1@143.64,2707.93 103.04,2667.34 103.04,2655.32 83.52,2635.79 Y3.2@80,2635.79 80,2605.04 132.09,2552.95 U10.1@144.17,2552.95
XOUT32: C115.1 U10.2 Y3.1 | length 340.7
  L01_SIG w6.8: C115.1@83.86,2780 83.86,2734.21 78.57,2734.21 59.04,2714.68 59.04,2702.66 30,2673.63 30,2613.7 39.62,2604.08 66.52,2604.08 100.52,2570.08 100.52,2568.37 126.55,2542.35 126.55,2541.42 134.7,2533.27 U10.2@144.17,2533.27
pads on no net: J8.MH1 J8.MH2

## Polygon pours and split planes (outlines as drawn)
DW1000_VDDPA1 on L08_SIG "NONET_L-01_P-001" (solid, remove dead copper, pour order 83): 315.82,3396.53 315.82,3365 282.15,3365 282.15,3325 265,3325 265,3355 235,3355 235,3370 265,3370 265,3390 289.82,3390 289.82,3396.89
GND on L08_SIG "NONET_L-01_P-001" (solid, remove dead copper, pour order 66): 176.84,2548.04 177.21,2548.41 382.96,2548.41 382.96,2341.8 383.41,2341.35 383.14,2341.08 176.23,2341.08 176.23,2547.87 176.57,2548.21
P3V3 on L08_SIG "NONET_L-01_P-001" (solid, remove dead copper, pour order 6): 700,140 700,105 670.96,105 670.96,140 670,140
P3V3 on L08_SIG "NONET_L-01_P-001" (solid, remove dead copper, pour order 5): 620,145 620,105 655,105 655,145
P3V3 on L08_SIG "NONET_L-01_P-001" (solid, remove dead copper, pour order 3): 750,155 750,105 795,105 795,155
P3V3 on L08_SIG "NONET_L-01_P-001" (solid, remove dead copper, pour order 0): 160,160 160,105 65,105 65,160
P3V3 on L07_PWR "NONET_L-01_P-001" (solid, remove dead copper, pour order 34): 150,100 ccw(c141.56,91.56) 141.56,103.5 62.07,103.5 62.07,174.17 ccw(c48.01,160.11) 48.01,180 10,180 10,3435 845,3435 845,180 ccw(c845,143.79) 819.39,169.39 805,155 ccw(c829.14,130.86) 795,130.86 795,105 135,105
GND on L01_SIG "NONET_L-01_P-001" (solid, remove dead copper, pour order 18): 824.74,1850 824.74,1730 740,1730 740,1690 855,1690 855,1850
GND on L01_SIG "NONET_L-01_P-001" (solid, remove dead copper, pour order 49): 270.55,2835 420,2835 420,2750 368.37,2750 367.01,2751.36 365,2749.35 365,2715 335,2715 335,2775 270.55,2775
DPLL_VDD on L01_SIG "NONET_L-01_P-001" (solid, remove dead copper, pour order 48): 275,2765 275,2705 195,2705 195,2765
DW1000_P1V8 on L01_SIG "NONET_L-01_P-001" (solid, remove dead copper, pour order 75): 631.42,3301.73 675,3258.15 675,3255 710,3255 710,3210 640,3210 627.09,3222.91 627.09,3301.73
GND on L01_SIG "NONET_L-01_P-001" (solid, remove dead copper, pour order 72): 652.68,3286.38 630,3309.06 630,3310 630.84,3310 644.88,3324.04 659.08,3309.83 695.89,3309.83 696.18,3309.54 696.18,3286.07 653.28,3286.07 652.85,3286.5
P3V3 on L01_SIG "NONET_L-01_P-001" (solid, remove dead copper, pour order 70): 627.09,3318.27 631.42,3318.27 637.32,3324.17 637.32,3333.62 652.68,3333.62 652.68,3324.17 658.58,3318.27 679.27,3318.27 680.45,3319.44 680.45,3357.09 657.91,3357.09 644.96,3370.04 644.96,3435 565,3435 565.24,3434.76 565.24,3317.88 626.7,3317.88
GND on L01_SIG "NONET_L-01_P-001" (solid, remove dead copper, pour order 55): 730,1635.17 860,1635.17 860,1575 730,1575
GND on L01_SIG "NONET_L-01_P-001" (solid, remove dead copper, pour order 54): 740,1520 845,1520 845,1465 740,1465
GND on L01_SIG "NONET_L-01_P-001" (solid, remove dead copper, pour order 53): 855,1035 855,975 735,975 735,1025 770,1025 770,1035 790,1035
GND on L01_SIG "NONET_L-01_P-001" (solid, remove dead copper, pour order 2): 51.3,170 51.3,100 115,100 115,170
GND on L01_SIG "NONET_L-01_P-001" (solid, remove dead copper, pour order 30): 755,915 855,915 855,865 755,865
GND on L01_SIG "NONET_L-01_P-001" (solid, remove dead copper, pour order 28): 750,1175 850,1175 850,1095 750,1095
GND on L01_SIG "NONET_L-01_P-001" (solid, remove dead copper, pour order 27): 735,1290 855,1290 855,1240 735,1240
GND on L01_SIG "NONET_L-01_P-001" (solid, remove dead copper, pour order 26): 750,1410 750,1360 855,1360 855,1410
GND on L01_SIG "NONET_L-01_P-001" (solid, remove dead copper, pour order 4): 812.62,140 811.91,139.29 811.91,90 775,90 775,140
GND on L03_GND "NONET_L-01_P-001" (solid, remove dead copper, pour order 79): 824.73,100 215.99,100 215.54,99.55 215.54,139.46 215,140 167.5,140 158.15,130.65 158.15,103 43.19,103 42.28,103.91 43.4,105.04 43.4,157.29 0.19,157.29 0,157.48 0,4330 866.1,4330 866.1,157.48 824.98,157.48 824.4,156.9 825.05,156.25 825.05,99.26
GND on L06_GND "NONET_L-01_P-001" (solid, remove dead copper, pour order 80): 824.73,100 215.99,100 215.54,99.55 215.54,139.46 215,140 167.5,140 158.15,130.65 158.15,103.01 43.19,103.01 42.28,103.91 43.4,105.04 43.4,157.29 0.19,157.29 0,157.48 0,4330 866.1,4330 866.1,157.48 824.98,157.48 824.4,156.9 825.05,156.25 825.05,99.26
P0V95_I225 on L02_PWR "NONET_L-01_P-001" (solid, remove dead copper, pour order 65): 675,582.98 460,582.98 460,490 615,490 615,241.47 15,241.47 15,797.55 675,797.55
GND on L02_PWR "GND_L-01_P-001" (solid, remove dead copper, pour order 84): 824.73,100 215.99,100 215.54,99.55 215.54,139.46 215,140 167.5,140 158.15,130.65 158.15,103 43.19,103 42.28,103.91 43.4,105.04 43.4,157.29 0.19,157.29 0,157.48 0,4330 866.1,4330 866.1,157.48 824.98,157.48 824.4,156.9 825.05,156.25 825.05,99.26
DW1000_P1V8 on L02_PWR "NONET_L-01_P-001" (solid, remove dead copper, pour order 57): 798.77,3323.42 798.77,3105 525,3105 525,3050 415,3050 415,2931.98 62.07,2931.98 62.07,3323.42
DPLL_VDD on L02_PWR "NONET_L-01_P-001" (solid, remove dead copper, pour order 63): 42.28,2830 510,2830 510,2648.11 510,2275 825,2275 825,1496.55 42.28,1496.55

## Other copper
L01_SIG:
  region net GND: 296.05,4319.62 ccw(c432.47,4327.71) 568.89,4319.61 511.19,4319.62 cw(c433,4328.19) 354.82,4319.62
  region net GND: 329.8,3498.23 329.8,3458.86 54.09,3458.86 54.09,3498.23
  region net GND: 719.8,3498.86 719.8,3459.49 441.24,3459.49 441.24,3498.86
L02_PWR:
  pour cut-out: 6.51,839.17 721.76,839.17 846.1,714.83 846.1,641.33 779.65,641.33 678.55,742.43 678.55,784.97 12.9,784.97 6.51,784.97
  pour cut-out: 344.14,588.35 344.14,358.35 121.05,358.35 121.05,588.35
  pour cut-out: 510,2065 725,2065 725,1855 510,1855
  pour cut-out: 180,2545 380,2545 380,2345 180,2345
  pour cut-out: 180,3230 180,3015 385,3015 385,3230
  pour cut-out: 15,480.05 16.92,480.05 62.66,480.05 99.95,517.34 99.95,577.8 70.7,607.05 70.7,797.19 15.36,797.19 15,797.55
L04_SIG:
  pour cut-out: 22.5,2454.65 32.39,2444.76 36.05,2444.76 36.05,2403.42 32.97,2400.33 32.61,2400.69 15,2400.69 15,2447.15
L07_PWR:
  pour cut-out: 344.14,588.35 344.14,358.35 121.05,358.35 121.05,588.35
  pour cut-out: 145,1095 275,1095 275,955 145,955
  pour cut-out: 145.08,1435 275.08,1435 275.08,1295 145.08,1295
  pour cut-out: 510,2065 725,2065 725,1855 510,1855
  pour cut-out: 180,2545 380,2545 380,2345 180,2345
  pour cut-out: 180,3230 180,3015 385,3015 385,3230
  pour cut-out: 850,3100 590,3100 590,2700 850,2700
L08_SIG:
  region net GND: 296.05,4319.62 ccw(c432.47,4327.71) 568.89,4319.61 511.19,4319.62 cw(c433,4328.19) 354.82,4319.62
  pour cut-out: 105,166 105,115.64 61.44,115.64 61.44,165.24

## Silkscreen, mask and mechanical layers (free items; w line width, h text height)
Top Overlay:
  text "SWCLK" at 635.01,3557.79 h20
  text "SWDIO" at 638.12,3514.26 h20
  text "RST" at 696.51,3327.38 h10
  text "GND" at 704.4,3280.9 h10
  text "P3V3" at 694.23,3104.77 h10
  text "RXOK" at 596.15,2629.19 h19.68
  text "RX" at 625.63,2548.9 h19.68
  text "TX" at 627.15,2465.56 h19.68
  text "SFD" at 620.55,2389.34 h19.68
Bottom Overlay:
  text "Time Drive v2.0 / Julian St. James / Mike Lambeta / Ahmad Byagowi / Hanna Davis" at 685,3820 h30
Top Solder:
  rectangle: 542.68,3108.18 552.06,3141.8
  rectangle: 422.69,2158.21 439.31,2191.93
  region: 729.57,1818.57 729.57,1841.98 511.36,1841.98 511.36,1818.57
  region: 730.23,2088.24 730.23,2111.65 512.02,2111.65 512.02,2088.24
  rectangle: 743.15,1857.28 766.56,2075.49
  rectangle: 473.48,1854.97 496.89,2073.19
  region: 296.04,4319.92 ccw(c432.47,4327.71) 568.91,4319.92 501.57,4319.92 cw(c433,4327.22) 364.42,4320.1
Bottom Solder:
  rectangle: 447.77,3057.17 453.65,3082.87
  rectangle: 495.42,2083.19 505.97,2116.8
  rectangle: 518.35,3253.85 528.35,3286.25
  region: 296.05,4319.62 ccw(c432.47,4327.71) 568.89,4319.61 501.53,4319.61 cw(c433,4327.22) 364.45,4319.81
Board Shape:
  lines w5: 0,4290.63 0,4330 ; 215.54,114.17 215.54,0 824.74,0 824.74,137.8 ; 215.58,114.17 ccw(c191.96,114.17) 168.34,114.17 168.34,0 42.28,0 42.28,137.8 ccw(c22.6,137.8) 22.6,157.48 0,157.48 0,4330 ; 314.76,4330 363.97,4330 ; 314.89,4330 0,4330 ; 364.11,4330 ccw(c433,4330.71) 501.89,4330 551.11,4330 866.1,4330 866.1,199.78 866.1,157.48 843.5,157.48 ; 824.73,138.26 cw(c843.96,138.26) 843.96,157.49

## Text inside footprints (layer, text, board x,y; h text height)
J1: Bottom Overlay "74" at 81.06,156.06 h19.68 r90; Bottom Overlay "68" at 151.06,156.06 h19.68 r90; Bottom Overlay "2" at 796.06,136.06 h19.68 r90; Bottom Overlay "58" at 251.06,156.06 h19.68 r90; Top Overlay "75" at 84.68,109.69 h19.68 r90; Top Overlay "67" at 154.21,108.94 h19.68 r90; Top Overlay "1" at 803.53,109.93 h19.68 r90; Top Overlay "57" at 251.19,103.27 h19.68 r90
J8: Top Overlay "PCB Edge" at 841.76,2845.76 h16 r90